# Altium PCB IC_LAB_test.PcbDoc (part 1 of 8)
Units mil, origin at the board's own origin, x right, y up, seen from the top; angles counter-clockwise.
Board outline 9750.75 x 5353.06 mil, 2 copper layers (Top Layer, Bottom Layer); 164 components, 0 nets, 5989 pads, 3214 vias.
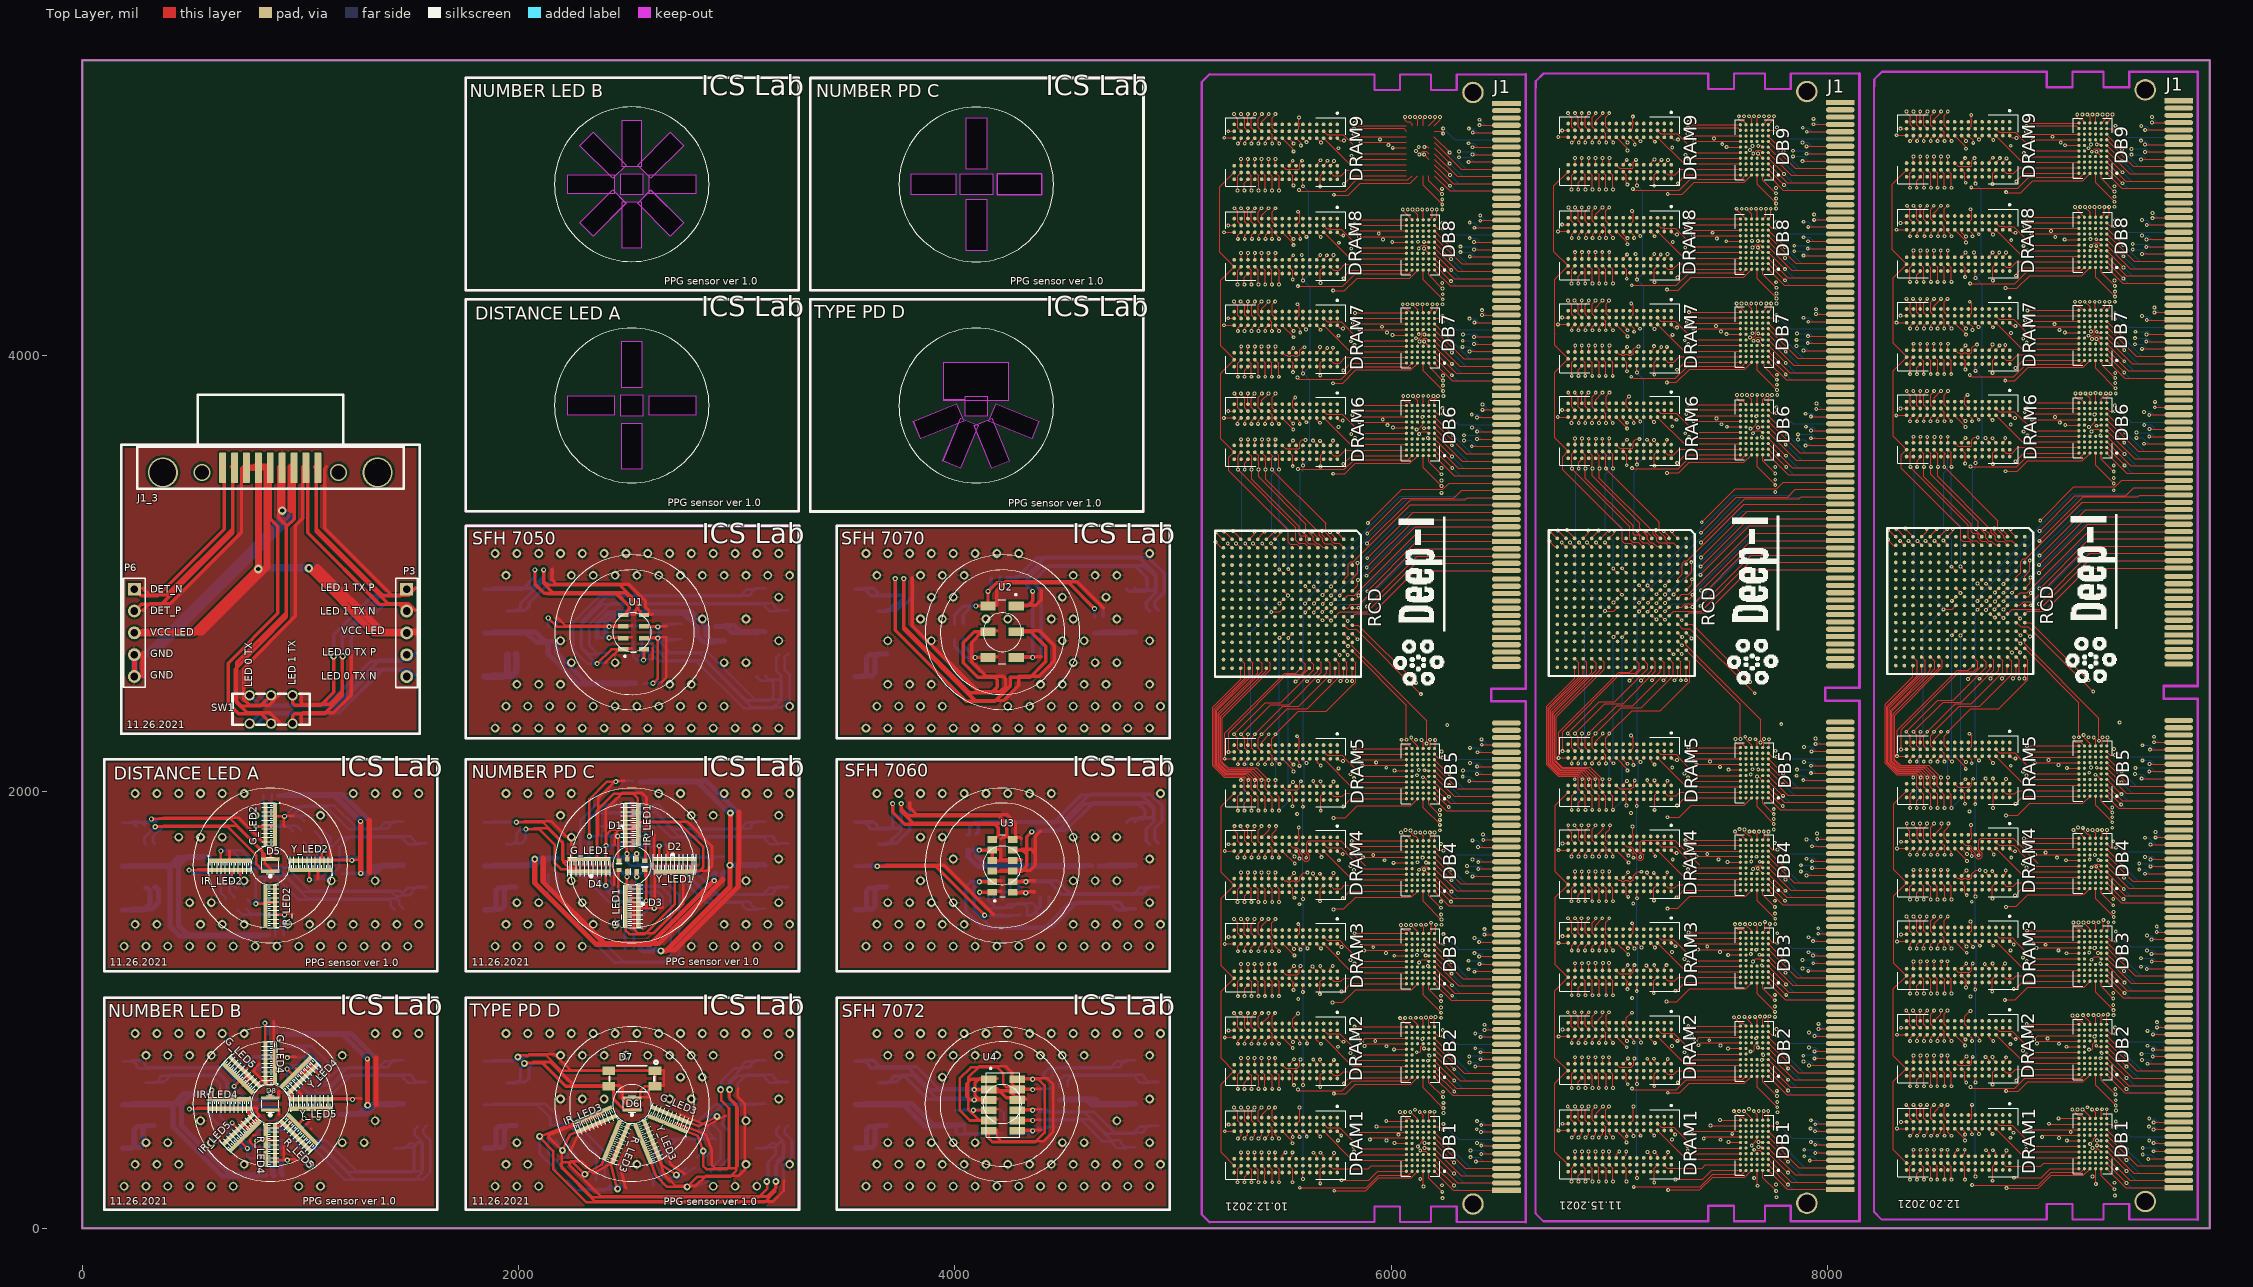
[diagram p0: Top Layer view]
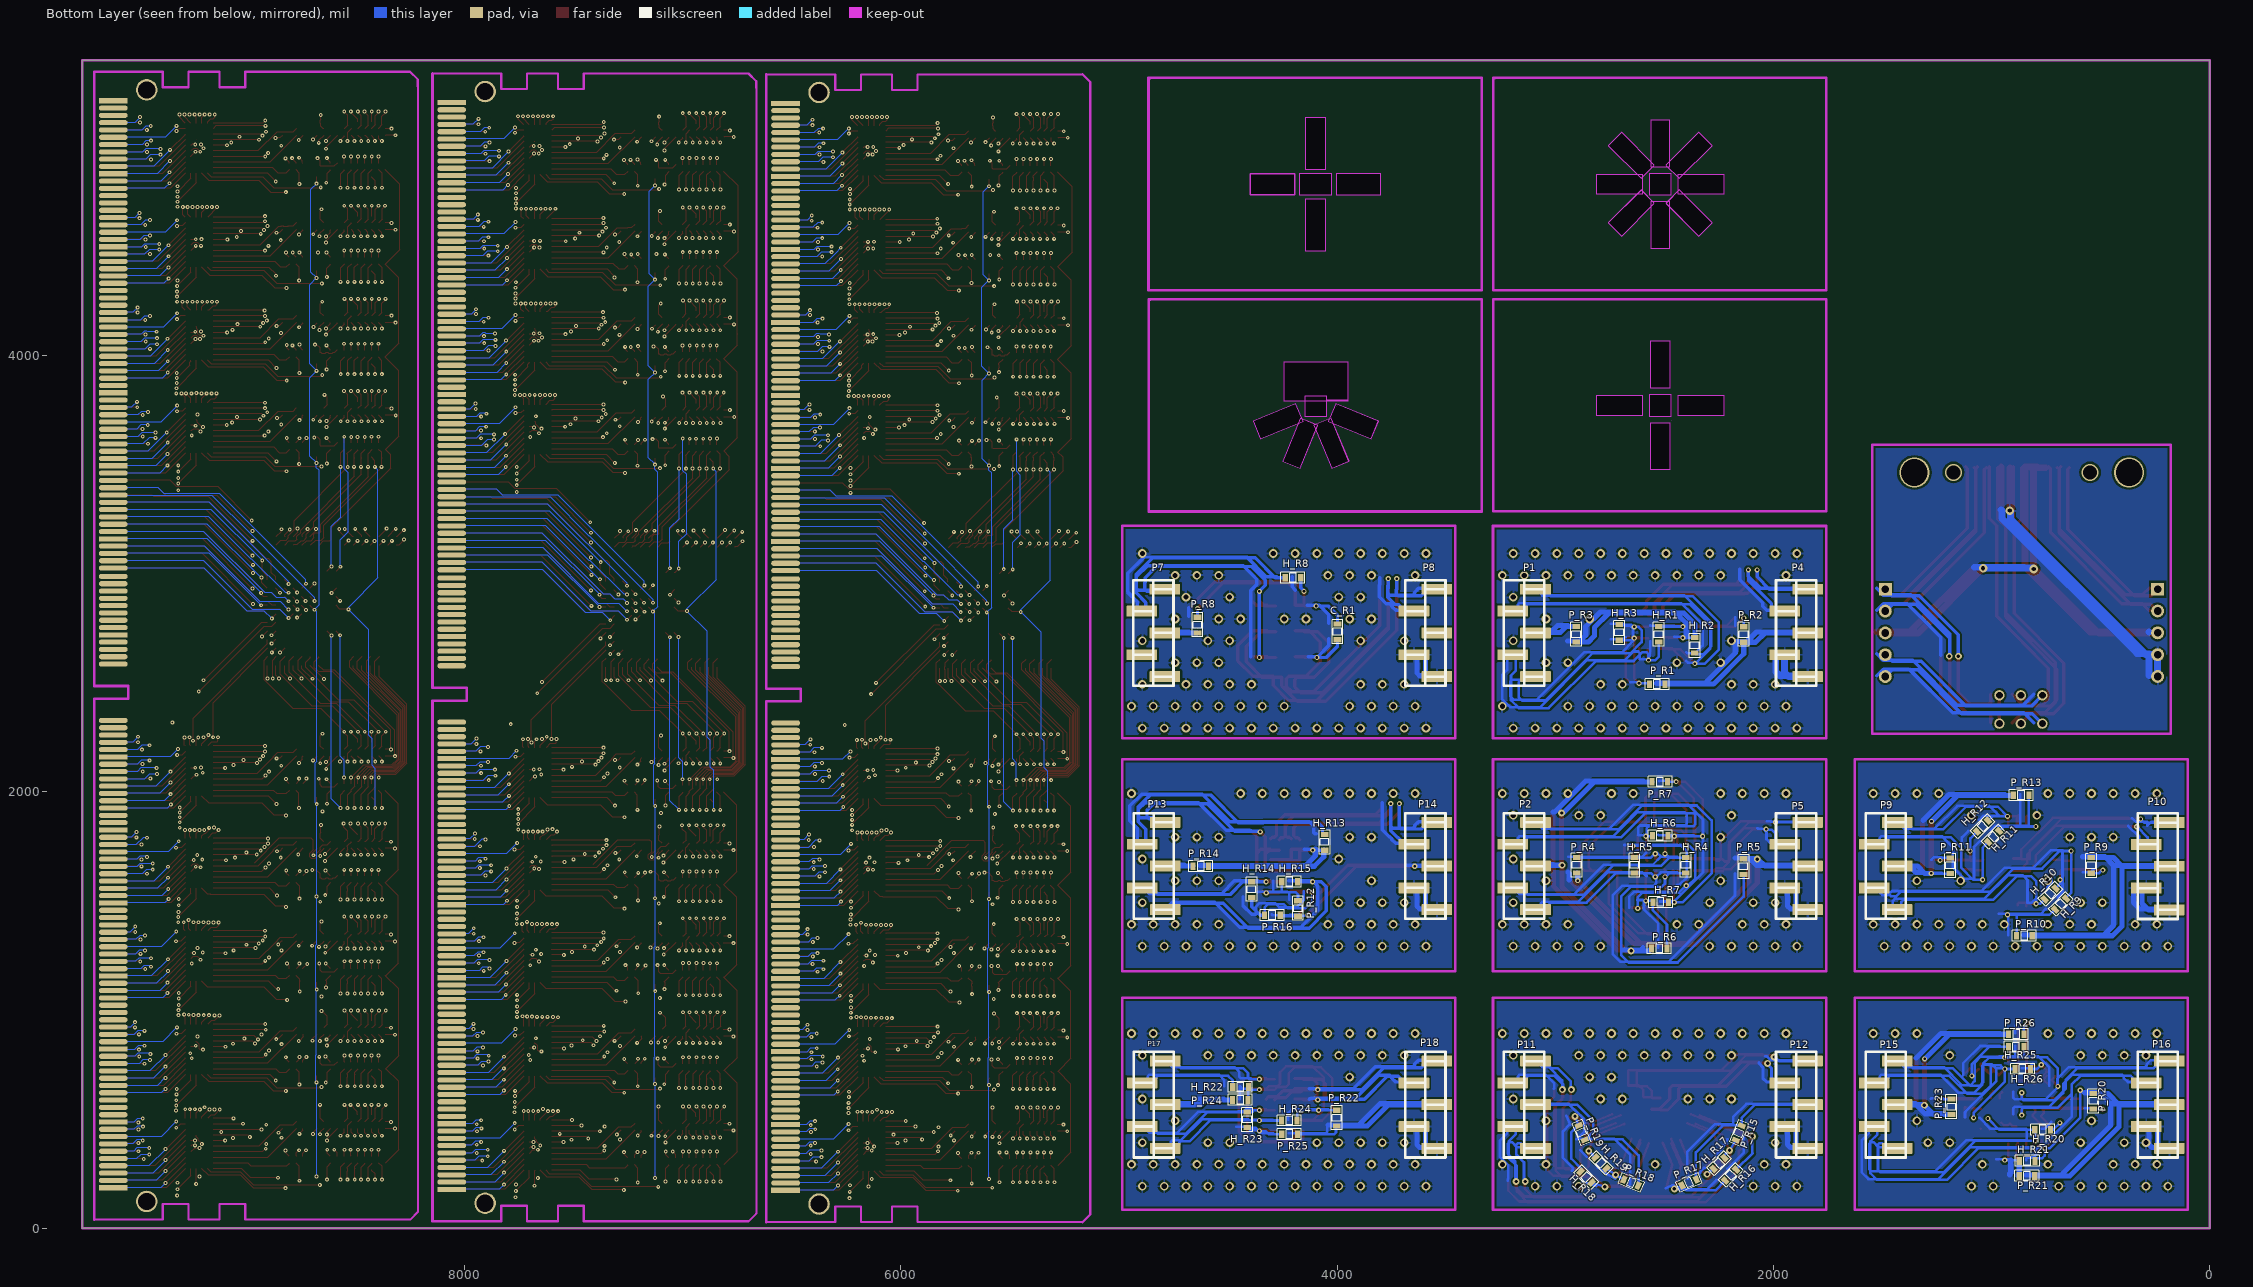
[diagram p1: Bottom Layer view, seen from below]

## Layer stack, top to bottom
Top Solder: solder mask 0.4, Solder Resist, Dk 3.5
Top Layer: signal copper 1.4
Dielectric 1: dielectric 12.6, FR-4, Dk 4.8
Bottom Layer: signal copper 1.4
Bottom Solder: solder mask 0.4, Solder Resist, Dk 3.5

## Board outline
0.24,-0.5 0.24,5352.36 1580.71,5352.36 1578.24,5352.54 6898.12,5352.54 6897.24,5352.54 9750.24,5352.54 9750.24,5352.56 9750.98,-0.44 4679.24,-0.44 4679.45,-0.5
cut-out: 2562.01,4491.34 2475.39,4491.34 2475.39,4703.94 2562.01,4703.94
cut-out: 2342.06,4546.57 2280.82,4607.81 2431.15,4758.14 2492.39,4696.9
cut-out: 2225.59,4741.14 2225.59,4827.76 2438.19,4827.76 2438.19,4741.14
cut-out: 2756.58,4607.81 2695.34,4546.57 2545.01,4696.9 2606.25,4758.14
cut-out: 4025.28,3482.31 3945.26,3515.46 4026.62,3711.87 4106.64,3678.73
cut-out: 3843.22,3617.51 3810.07,3697.53 4006.48,3778.89 4039.63,3698.86
cut-out: 4384.81,3697.53 4351.67,3617.51 4155.25,3698.86 4188.4,3778.89
cut-out: 4249.62,3515.46 4169.6,3482.31 4088.24,3678.73 4168.26,3711.87
cut-out: 2570.08,4831.69 2570.08,4737.2 2467.72,4737.2 2467.72,4831.69
cut-out: 2811.81,4827.76 2811.81,4741.14 2599.21,4741.14 2599.21,4827.76
cut-out: 2695.34,5022.33 2756.58,4961.09 2606.25,4810.76 2545.01,4872
cut-out: 2475.39,5077.56 2562.01,5077.56 2562.01,4864.96 2475.39,4864.96
cut-out: 2280.82,4961.09 2342.06,5022.33 2492.39,4872 2431.15,4810.76
cut-out: 4002.95,3763.78
cut-out: 3998.03,3771.65
cut-out: 4051.18,4853.35 4051.18,5089.57 4145.67,5089.57 4145.67,4853.35
cut-out: 4244.09,3969.49 4244.09,3792.32 4147.64,3792.32 4147.64,3721.46 4047.24,3721.46 4047.24,3796.26 3948.82,3796.26 3948.82,3969.49
cut-out: 4145.67,4715.55 4145.67,4479.33 4051.18,4479.33 4051.18,4715.55
cut-out: 4192.91,4737.2 4397.64,4737.2 4397.64,4831.69 4192.91,4831.69
cut-out: 4003.94,4737.2 3799.21,4737.2 3799.21,4831.69 4003.94,4831.69
cut-out: 4173.23,4737.2 4023.62,4737.2 4023.62,4831.69 4173.23,4831.69
cut-out: 2563.98,3477.36 2473.42,3477.36 2473.42,3689.96 2563.98,3689.96
cut-out: 2225.39,3725.39 2225.39,3815.95 2437.99,3815.95 2437.99,3725.39
cut-out: 2473.43,4063.98 2563.98,4063.98 2563.98,3851.38 2473.43,3851.38
cut-out: 2812.01,3815.94 2812.01,3725.39 2599.41,3725.39 2599.41,3815.94
cut-out: 2467.32,3701.77
cut-out: 2569.88,3819.88 2569.88,3721.46 2467.52,3721.46 2467.52,3819.88

## Design rules (kind name [scope] priority, off if disabled: settings)
Clearance [All] p1: gap=10 ignorepadtopadclearanceinfootprint=FALSE except(0: Arc-Hole Track-Hole SMDPad-Hole THPad-Hole Via-Hole Fill-Hole Poly-Hole Region-Hole Text-Hole)
PolygonConnect [All] p1: connectstyle=Relief reliefconductorwidth=10 reliefentries=4 polygonreliefangle="90 Angle" airgapwidth=10
RoutingVias [All] p1: holewidth=28 width=50 viastyle="Through Hole" minholewidth=28 minwidth=50 maxholewidth=28 maxwidth=50
SolderMaskExpansion [All] p1: expansion=4
Width [All] p1: maxlimit=10 minlimit=10 preferedwidth=10
30 further rules are at their usual default settings.

## Components (designator, comment, footprint, x,y, rotation, side; value= is the part's Value field where it differs from the comment)
C_R1 "Res1" RES-SMD-0603 3997.83,2733.27 r270 bottom value=0
D1 "Photo Sen" PD_2704 2519.49,1849.61 r90 top
D2 "Photo Sen" PD_2704 2716.34,1662.6 r0 top
D3 "Photo Sen" PD_2704 2519.49,1475.59 r270 top
D4 "Photo Sen" PD_2704 2322.64,1662.6 r180 top
D5 "SFH_2704" OSRAM_Opto_Semiconductors_SFH_2704_MFG 862.01,1662.6 r180 top
D6 "SFH_2704" OSRAM_Opto_Semiconductors_SFH_2704_MFG 2519.49,568.9 r180 top
D7 "APS5130PD7C-P22" LED_APS5130PD7C-P22_KNB 2519.49,685.04 r180 top
D8 "SFH_2704" OSRAM_Opto_Semiconductors_SFH_2704_MFG 862.01,568.9 r180 top
DB1 "DB" BGA56C65P10X6_700X450X100N 9215.08,387.48 r180 top locked (schematic designator U14)
DB1 "DB" BGA56C65P10X6_700X450X100N 7663.9,379.61 r180 top locked (schematic designator U14)
DB1 "DB" BGA56C65P10X6_700X450X100N 6133.46,375.67 r180 top locked (schematic designator U14)
DB2 "DB" BGA56C65P10X6_700X450X100N 9215.08,818.66 r180 top locked (schematic designator T1)
DB2 "DB" BGA56C65P10X6_700X450X100N 7663.9,810.79 r180 top locked (schematic designator T1)
DB2 "DB" BGA56C65P10X6_700X450X100N 6133.46,806.85 r180 top locked (schematic designator T1)
DB3 "DB" BGA56C65P10X6_700X450X100N 9215.08,1246.89 r180 top locked (schematic designator U13)
DB3 "DB" BGA56C65P10X6_700X450X100N 7663.9,1239.02 r180 top locked (schematic designator U13)
DB3 "DB" BGA56C65P10X6_700X450X100N 6133.46,1235.08 r180 top locked (schematic designator U13)
DB4 "DB" BGA56C65P10X6_700X450X100N 9215.08,1671.89 r180 top locked (schematic designator U12)
DB4 "DB" BGA56C65P10X6_700X450X100N 7663.9,1664.02 r180 top locked (schematic designator U12)
DB4 "DB" BGA56C65P10X6_700X450X100N 6133.46,1660.08 r180 top locked (schematic designator U12)
DB5 "DB" BGA56C65P10X6_700X450X100N 9215.08,2094.84 r180 top locked (schematic designator U11)
DB5 "DB" BGA56C65P10X6_700X450X100N 7663.9,2086.97 r180 top locked (schematic designator U11)
DB5 "DB" BGA56C65P10X6_700X450X100N 6133.46,2083.03 r180 top locked (schematic designator U11)
DB6 "DB" BGA56C65P10X6_700X450X100N 9215.08,3667.48 r180 top locked (schematic designator U15)
DB6 "DB" BGA56C65P10X6_700X450X100N 7663.9,3659.61 r180 top locked (schematic designator U15)
DB6 "DB" BGA56C65P10X6_700X450X100N 6133.46,3655.67 r180 top locked (schematic designator U15)
DB7 "DB" BGA56C65P10X6_700X450X100N 9215.08,4091.89 r180 top locked (schematic designator U16)
DB7 "DB" BGA56C65P10X6_700X450X100N 7663.9,4084.02 r180 top locked (schematic designator U16)
DB7 "DB" BGA56C65P10X6_700X450X100N 6133.46,4080.08 r180 top locked (schematic designator U16)
DB8 "DB" BGA56C65P10X6_700X450X100N 9215.08,4518.07 r180 top locked (schematic designator U17)
DB8 "DB" BGA56C65P10X6_700X450X100N 7663.9,4510.2 r180 top locked (schematic designator U17)
DB8 "DB" BGA56C65P10X6_700X450X100N 6133.46,4506.26 r180 top locked (schematic designator U17)
DB9 "DB" BGA56C65P10X6_700X450X100N 9215.08,4949.84 r180 top locked (schematic designator U18)
DB9 "DB" BGA56C65P10X6_700X450X100N 7663.9,4941.97 r180 top locked (schematic designator U18)
DRAM1 "SDRAM" DRAM_96BGA 8597.83,392.56 r270 top locked (schematic designator U5)
DRAM1 "SDRAM" DRAM_96BGA 7046.65,384.69 r270 top locked (schematic designator U5)
DRAM1 "SDRAM" DRAM_96BGA 5516.22,380.75 r270 top locked (schematic designator U5)
DRAM2 "SDRAM" DRAM_96BGA 8597.83,823.74 r270 top locked (schematic designator U4)
DRAM2 "SDRAM" DRAM_96BGA 7046.65,815.87 r270 top locked (schematic designator U4)
DRAM2 "SDRAM" DRAM_96BGA 5516.22,811.93 r270 top locked (schematic designator U4)
DRAM3 "SDRAM" DRAM_96BGA 8597.83,1251.97 r270 top locked (schematic designator U3)
DRAM3 "SDRAM" DRAM_96BGA 7046.65,1244.09 r270 top locked (schematic designator U3)
DRAM3 "SDRAM" DRAM_96BGA 5516.22,1240.16 r270 top locked (schematic designator U3)
DRAM4 "SDRAM" DRAM_96BGA 8597.83,1676.97 r270 top locked (schematic designator U2)
DRAM4 "SDRAM" DRAM_96BGA 7046.65,1669.09 r270 top locked (schematic designator U2)
DRAM4 "SDRAM" DRAM_96BGA 5516.22,1665.16 r270 top locked (schematic designator U2)
DRAM5 "SDRAM" DRAM_96BGA 8597.83,2099.92 r270 top locked (schematic designator U1)
DRAM5 "SDRAM" DRAM_96BGA 7046.65,2092.05 r270 top locked (schematic designator U1)
DRAM5 "SDRAM" DRAM_96BGA 5516.22,2088.11 r270 top locked (schematic designator U1)
DRAM6 "SDRAM" DRAM_96BGA 8597.83,3662.17 r270 top locked (schematic designator U6)
DRAM6 "SDRAM" DRAM_96BGA 7046.65,3654.29 r270 top locked (schematic designator U6)
DRAM6 "SDRAM" DRAM_96BGA 5516.22,3650.35 r270 top locked (schematic designator U6)
DRAM7 "SDRAM" DRAM_96BGA 8597.83,4086.57 r270 top locked (schematic designator U7)
DRAM7 "SDRAM" DRAM_96BGA 7046.65,4078.7 r270 top locked (schematic designator U7)
DRAM7 "SDRAM" DRAM_96BGA 5516.22,4074.76 r270 top locked (schematic designator U7)
DRAM8 "SDRAM" DRAM_96BGA 8597.83,4512.76 r270 top locked (schematic designator U8)
DRAM8 "SDRAM" DRAM_96BGA 7046.65,4504.88 r270 top locked (schematic designator U8)
DRAM8 "SDRAM" DRAM_96BGA 5516.22,4500.94 r270 top locked (schematic designator U8)
DRAM9 "SDRAM" DRAM_96BGA 8597.83,4944.53 r270 top locked (schematic designator U9)
DRAM9 "SDRAM" DRAM_96BGA 7046.65,4936.65 r270 top locked (schematic designator U9)
DRAM9 "SDRAM" DRAM_96BGA 5516.22,4932.72 r270 top locked (schematic designator U9)
G_LED1 "LED" RESC0402X15N 2460.43,1662.6 r270 top value="LED 3 - 5 ly 2 Colour"
G_LED2 "LED" LED_PPG_DISTANCE_2 862.01,1849.61 r0 top value="LED 3 - 5 ly 2 Colour"
G_LED3 "LED" LED_PPG_DISTANCE_2 2692.26,497.33 r247.5 top value="LED 3 - 5 ly 2 Colour"
G_LED4 "LED" LED_PPG_DISTANCE_2 862.01,755.91 r0 top value="LED 3 - 5 ly 2 Colour"
G_LED5 "LED" LED_PPG_DISTANCE_2 729.97,701.41 r225 top value="LED 3 - 5 ly 2 Colour"
H_R1 "Res1" RES-SMD-0603 2525.39,2721.46 r90 bottom value=0
H_R2 "Res1" RES-SMD-0603 2360.04,2670.28 r90 bottom value=0
H_R3 "Res1" RES-SMD-0603 2706.5,2729.33 r90 bottom value=0
H_R4 "Res1" RES-SMD-0603 2401.57,1663.39 r270 bottom value=0
H_R5 "Res1" RES-SMD-0603 2636.81,1663.39 r270 bottom value=0
H_R6 "Res1" RES-SMD-0603 2519.69,1798.23 r180 bottom value=0
H_R7 "Res1" RES-SMD-0603 2516.73,1494.09 r180 bottom value=0
H_R8 "Res1" RES-SMD-0603 4202.56,2981.3 r180 bottom value=0
H_R9 "Res1" RES-SMD-0603 682.87,1485.43 r315 bottom value=0
H_R10 "Res1" RES-SMD-0603 731.1,1532.68 r315 bottom value=0
H_R11 "Res1" RES-SMD-0603 990.94,1793.5 r135 bottom value=0
H_R12 "Res1" RES-SMD-0603 1042.13,1841.73 r135 bottom value=0
H_R13 "Res1" RES-SMD-0603 4056.89,1768.7 r270 bottom value=0
H_R14 "Res1" RES-SMD-0603 4391.54,1552.17 r270 bottom value=0
H_R15 "Res1" RES-SMD-0603 4218.31,1587.6 r180 bottom value=0
H_R16 "Res1" RES-SMD-0603 2195.67,243.11 r315 bottom value=0
H_R17 "Res1" RES-SMD-0603 2248.82,297.24 r315 bottom value=0
H_R18 "Res1" RES-SMD-0603 2858.07,233.27 r45 bottom value=0
H_R19 "Res1" RES-SMD-0603 2790.16,298.23 r45 bottom value=0
H_R20 "Res1" RES-SMD-0603 765.75,450.79 r0 bottom value=0
H_R21 "Res1" RES-SMD-0603 836.61,308.07 r0 bottom value=0
H_R22 "Res1" RES-SMD-0603 4442.72,646.65 r180 bottom value=0
H_R23 "Res1" RES-SMD-0603 4411.22,497.05 r270 bottom value=0
H_R24 "Res1" RES-SMD-0603 4218.31,493.11 r0 bottom value=0
H_R25 "Res1" RES-SMD-0603 887.8,830.71 r180 bottom value=0
H_R26 "Res1" RES-SMD-0603 858.27,729.33 r180 bottom value=0
IR_LED1 "LED" RESC0402X15N 2519.49,1692.13 r180 top value="LED 3 - 5 ly 2 Colour"
IR_LED2 "LED" LED_PPG_DISTANCE_2 675,1662.6 r90 top value="LED 3 - 5 ly 2 Colour"
IR_LED3 "LED" LED_PPG_DISTANCE_2 2346.72,497.33 r112.5 top value="LED 3 - 5 ly 2 Colour"
IR_LED4 "LED" LED_PPG_DISTANCE_2 675.2,569.09 r90 top value="LED 3 - 5 ly 2 Colour"
IR_LED5 "LED" LED_PPG_DISTANCE_2 729.97,436.66 r315 top value="LED 3 - 5 ly 2 Colour"
J1 "Connector" "Edge Connector" 9609.06,185.12 r90 top locked
J1 "Connector" "Edge Connector" 8057.87,177.24 r90 top locked
J1 "Connector" "Edge Connector" 6527.44,173.31 r90 top locked
J1_3 "DRB-09P11G1R" K202XHT-E9P-NJ_DB9_Male 861.81,3484.96 r0 top (schematic designator J1)
P1 "Header 5" "HDR 5 POS 1 ROW" 3142.91,2727.95 r270 bottom
P2 "Header 5" "HDR 5 POS 1 ROW" 3142.91,1659.45 r270 bottom
P3 "Header 5" HDR1X5 1487.01,2927.95 r270 top
P4 "Header 5" "HDR 5 POS 1 ROW" 1896.06,2727.95 r270 bottom
P5 "Header 5" "HDR 5 POS 1 ROW" 1896.06,1659.45 r270 bottom
P6 "Header 5" HDR1X5 238.98,2928.35 r270 top
P7 "Header 5" "HDR 5 POS 1 ROW" 4841.73,2727.95 r270 bottom
P8 "Header 5" "HDR 5 POS 1 ROW" 3594.88,2727.95 r270 bottom
P9 "Header 5" "HDR 5 POS 1 ROW" 1485.43,1659.45 r270 bottom
P10 "Header 5" "HDR 5 POS 1 ROW" 238.58,1658.66 r270 bottom
P11 "Header 5" "HDR 5 POS 1 ROW" 3142.91,565.75 r270 bottom
P12 "Header 5" "HDR 5 POS 1 ROW" 1896.06,565.75 r270 bottom
P13 "Header 5" "HDR 5 POS 1 ROW" 4840.35,1659.45 r270 bottom
P14 "Header 5" "HDR 5 POS 1 ROW" 3594.88,1659.45 r270 bottom
P15 "Header 5" "HDR 5 POS 1 ROW" 1485.43,565.75 r270 bottom
P16 "Header 5" "HDR 5 POS 1 ROW" 238.58,565.75 r270 bottom
P17 "Header 5" "HDR 5 POS 1 ROW" 4840.35,565.75 r270 bottom
P18 "Header 5" "HDR 5 POS 1 ROW" 3594.88,565.75 r270 bottom
P_R1 "Res1" RES-SMD-0603 2533.27,2493.11 r180 bottom value=0
P_R2 "Res1" RES-SMD-0603 2135.63,2721.46 r270 bottom value=0
P_R3 "Res1" RES-SMD-0603 2903.35,2721.46 r90 bottom value=0
P_R4 "Res1" RES-SMD-0603 2901.57,1663.39 r270 bottom value=0
P_R5 "Res1" RES-SMD-0603 2136.81,1656.5 r90 bottom value=0
P_R6 "Res1" RES-SMD-0603 2522.64,1281.5 r0 bottom value=0
P_R7 "Res1" RES-SMD-0603 2519.69,2045.28 r0 bottom value=0
P_R8 "Res1" RES-SMD-0603 4639.57,2764.76 r270 bottom value=0
P_R9 "Res1" RES-SMD-0603 543.11,1661.61 r90 bottom value=0
P_R10 "Res1" RES-SMD-0603 850.2,1339.76 r180 bottom value=0
P_R11 "Res1" RES-SMD-0603 1189.76,1661.61 r270 bottom value=0
P_R12 "Res1" RES-SMD-0603 4178.94,1465.55 r270 bottom value=0
P_R13 "Res1" RES-SMD-0603 863.98,1983.46 r0 bottom value=0
P_R14 "Res1" RES-SMD-0603 4623.82,1658.46 r0 bottom value=0
P_R15 "Res1" RES-SMD-0603 2159.25,436.02 r112.5 bottom value=0
P_R16 "Res1" RES-SMD-0603 4297.05,1434.06 r180 bottom value=0
P_R17 "Res1" RES-SMD-0603 2386.61,208.66 r157.5 bottom value=0
P_R18 "Res1" RES-SMD-0603 2653.35,208.66 r202.5 bottom value=0
P_R19 "Res1" RES-SMD-0603 2878.74,437.99 r247.5 bottom value=0
P_R20 "Res1" RES-SMD-0603 533.46,581.69 r270 bottom value=0
P_R21 "Res1" RES-SMD-0603 838.58,239.17 r180 bottom value=0
P_R22 "Res1" RES-SMD-0603 4001.77,504.92 r270 bottom value=0
P_R23 "Res1" RES-SMD-0603 1184.06,555.12 r90 bottom value=0
P_R24 "Res1" RES-SMD-0603 4442.72,587.6 r0 bottom value=0
P_R25 "Res1" RES-SMD-0603 4218.3,430.12 r180 bottom value=0
P_R26 "Res1" RES-SMD-0603 886.81,888.78 r0 bottom value=0
R_LED1 "LED" RESC0402X15N 2519.49,1633.07 r0 top value="LED 3 - 5 ly 2 Colour"
R_LED2 "LED" LED_PPG_DISTANCE_2 862.01,1475.59 r180 top value="LED 3 - 5 ly 2 Colour"
R_LED3 "LED" LED_PPG_DISTANCE_2 2447.92,396.13 r157.5 top value="LED 3 - 5 ly 2 Colour"
R_LED4 "LED" LED_PPG_DISTANCE_2 862.2,381.89 r180 top value="LED 3 - 5 ly 2 Colour"
R_LED5 "LED" LED_PPG_DISTANCE_2 994.44,436.66 r45 top value="LED 3 - 5 ly 2 Colour"
RCD "RCD256" BGA256x16_RCD 8902.8,3168.9 r270 top locked (schematic designator U10)
RCD "RCD256" BGA256x16_RCD 7351.61,3161.02 r270 top locked (schematic designator U10)
RCD "RCD256" BGA256x16_RCD 5821.18,3157.09 r270 top locked (schematic designator U10)
SW1 "SSSS222700" DPDT_SSSS222700 865.94,2377.17 r0 top
U1 "SFH_7050" XDCR_SFH_7050 2527.36,2731.3 r90 top
U2 "SFH_7070" XDCR_SFH_7070 4216.34,2733.27 r270 top
U3 "SFH_7060" XDCR_SFH_7060 4218.31,1660.04 r90 top
U4 "SFH_7072" XDCR_SFH_7072 4220.28,563.98 r270 top
Y_LED1 "LED" RESC0402X15N 2578.54,1662.6 r90 top value="LED 3 - 5 ly 2 Colour"
Y_LED2 "LED" LED_PPG_DISTANCE_2 1049.02,1662.6 r270 top value="LED 3 - 5 ly 2 Colour"
Y_LED3 "LED" LED_PPG_DISTANCE_2 2591.05,396.13 r202.5 top value="LED 3 - 5 ly 2 Colour"
Y_LED4 "LED" LED_PPG_DISTANCE_2 996.06,699.61 r135 top value="LED 3 - 5 ly 2 Colour"
Y_LED5 "LED" LED_PPG_DISTANCE_2 1049.02,569.09 r270 top value="LED 3 - 5 ly 2 Colour"

## Footprints (in the part's own frame and the unit in brackets; to place one, negate y for a bottom-side part, rotate by r counter-clockwise, add the part's x,y. Pads: shape width x height; smd on the part's side, far side on the other; paste and mask are expansions set on the pad)
BGA56C65P10X6_700X450X100N [mm]
  round 0.37 smd mask+0.05: A1(-1.625,2.925) A2(-0.975,2.925) A3(-0.325,2.925) A4(0.325,2.925) A5(0.975,2.925) A6(1.625,2.925) B1(-1.625,2.275) B2(-0.975,2.275) B3(-0.325,2.275) B4(0.325,2.275) B5(0.975,2.275) B6(1.625,2.275) C1(-1.625,1.625) C2(-0.975,1.625) C3(-0.325,1.625) C4(0.325,1.625) C5(0.975,1.625) C6(1.625,1.625) D1(-1.625,0.975) D2(-0.975,0.975) D3(-0.325,0.975) D4(0.325,0.975) D5(0.975,0.975) D6(1.625,0.975) E1(-1.625,0.325) E2(-0.975,0.325) E5(0.975,0.325) E6(1.625,0.325) F1(-1.625,-0.325) F2(-0.975,-0.325) F5(0.975,-0.325) F6(1.625,-0.325) G1(-1.625,-0.975) G2(-0.975,-0.975) G3(-0.325,-0.975) G4(0.325,-0.975) G5(0.975,-0.975) G6(1.625,-0.975) H1(-1.625,-1.625) H2(-0.975,-1.625) H3(-0.325,-1.625) H4(0.325,-1.625) H5(0.975,-1.625) H6(1.625,-1.625) J1(-1.625,-2.275) J2(-0.975,-2.275) J3(-0.325,-2.275) J4(0.325,-2.275) J5(0.975,-2.275) J6(1.625,-2.275) K1(-1.625,-2.925) K2(-0.975,-2.925) K3(-0.325,-2.925) K4(0.325,-2.925) K5(0.975,-2.925) K6(1.625,-2.925)
  silkscreen extent -2.9,-3.5 2.25,3.5, body extent -2.29,-3.44 2.21,3.56, height 1
BGA256x16_RCD [mm]
  round 0.425 smd: A1(0,0) A2(1,0) A3(2,0) A4(3,0) A5(4,0) A6(5,0) A7(6,0) A8(7,0) A9(8,0) A10(9,0) A11(10,0) A12(11,0) A13(12,0) A14(13,0) A15(14,0) A16(15,0) B1(0,-1) B2(1,-1) B3(2,-1) B4(3,-1) B5(4,-1) B6(5,-1) B7(6,-1) B8(7,-1) B9(8,-1) B10(9,-1) B11(10,-1) B12(11,-1) B13(12,-1) B14(13,-1) B15(14,-1) B16(15,-1) C1(0,-2) C2(1,-2) C3(2,-2) C4(3,-2) C5(4,-2) C6(5,-2) C7(6,-2) C8(7,-2) C9(8,-2) C10(9,-2) C11(10,-2) C12(11,-2) C13(12,-2) C14(13,-2) C15(14,-2) C16(15,-2) D1(0,-3) D2(1,-3) D3(2,-3) D4(3,-3) D5(4,-3) D6(5,-3) D7(6,-3) D8(7,-3) D9(8,-3) D10(9,-3) D11(10,-3) D12(11,-3) D13(12,-3) D14(13,-3) D15(14,-3) D16(15,-3) E1(0,-4) E2(1,-4) E3(2,-4) E4(3,-4) E5(4,-4) E6(5,-4) E7(6,-4) E8(7,-4) E9(8,-4) E10(9,-4) E11(10,-4) E12(11,-4) E13(12,-4) E14(13,-4) E15(14,-4) E16(15,-4) F1(0,-5) F2(1,-5) F3(2,-5) F4(3,-5) F5(4,-5) F6(5,-5) F7(6,-5) F8(7,-5) F9(8,-5) F10(9,-5) F11(10,-5) F12(11,-5) F13(12,-5) F14(13,-5) F15(14,-5) F16(15,-5) G1(0,-6) G2(1,-6) G3(2,-6) G4(3,-6) G5(4,-6) G6(5,-6) G7(6,-6) G8(7,-6) G9(8,-6) G10(9,-6) G11(10,-6) G12(11,-6) G13(12,-6) G14(13,-6) G15(14,-6) G16(15,-6) H1(0,-7) H2(1,-7) H3(2,-7) H4(3,-7) H5(4,-7) H6(5,-7) H7(6,-7) H8(7,-7) H9(8,-7) H10(9,-7) H11(10,-7) H12(11,-7) H13(12,-7) H14(13,-7) H15(14,-7) H16(15,-7) J1(0,-8) J2(1,-8) J3(2,-8) J4(3,-8) J5(4,-8) J6(5,-8) J7(6,-8) J8(7,-8) J9(8,-8) J10(9,-8) J11(10,-8) J12(11,-8) J13(12,-8) J14(13,-8) J15(14,-8) J16(15,-8) K1(0,-9) K2(1,-9) K3(2,-9) K4(3,-9) K5(4,-9) K6(5,-9) K7(6,-9) K8(7,-9) K9(8,-9) K10(9,-9) K11(10,-9) K12(11,-9) K13(12,-9) K14(13,-9) K15(14,-9) K16(15,-9) L1(0,-10) L2(1,-10) L3(2,-10) L4(3,-10) L5(4,-10) L6(5,-10) L7(6,-10) L8(7,-10) L9(8,-10) L10(9,-10) L11(10,-10) L12(11,-10) L13(12,-10) L14(13,-10) L15(14,-10) L16(15,-10) M1(0,-11) M2(1,-11) M3(2,-11) M4(3,-11) M5(4,-11) M6(5,-11) M7(6,-11) M8(7,-11) M9(8,-11) M10(9,-11) M11(10,-11) M12(11,-11) M13(12,-11) M14(13,-11) M15(14,-11) M16(15,-11) N1(0,-12) N2(1,-12) N3(2,-12) N4(3,-12) N5(4,-12) N6(5,-12) N7(6,-12) N8(7,-12) N9(8,-12) N10(9,-12) N11(10,-12) N12(11,-12) N13(12,-12) N14(13,-12) N15(14,-12) N16(15,-12) P1(0,-13) P2(1,-13) P3(2,-13) P4(3,-13) P5(4,-13) P6(5,-13) P7(6,-13) P8(7,-13) P9(8,-13) P10(9,-13) P11(10,-13) P12(11,-13) P13(12,-13) P14(13,-13) P15(14,-13) P16(15,-13) R1(0,-14) R2(1,-14) R3(2,-14) R4(3,-14) R5(4,-14) R6(5,-14) R7(6,-14) R8(7,-14) R9(8,-14) R10(9,-14) R11(10,-14) R12(11,-14) R13(12,-14) R14(13,-14) R15(14,-14) R16(15,-14) T1(0,-15) T2(1,-15) T3(2,-15) T4(3,-15) T5(4,-15) T6(5,-15) T7(6,-15) T8(7,-15) T9(8,-15) T10(9,-15) T11(10,-15) T12(11,-15) T13(12,-15) T14(13,-15) T15(14,-15) T16(15,-15)